# KiCad board sizif128.kicad_pcb (continued)
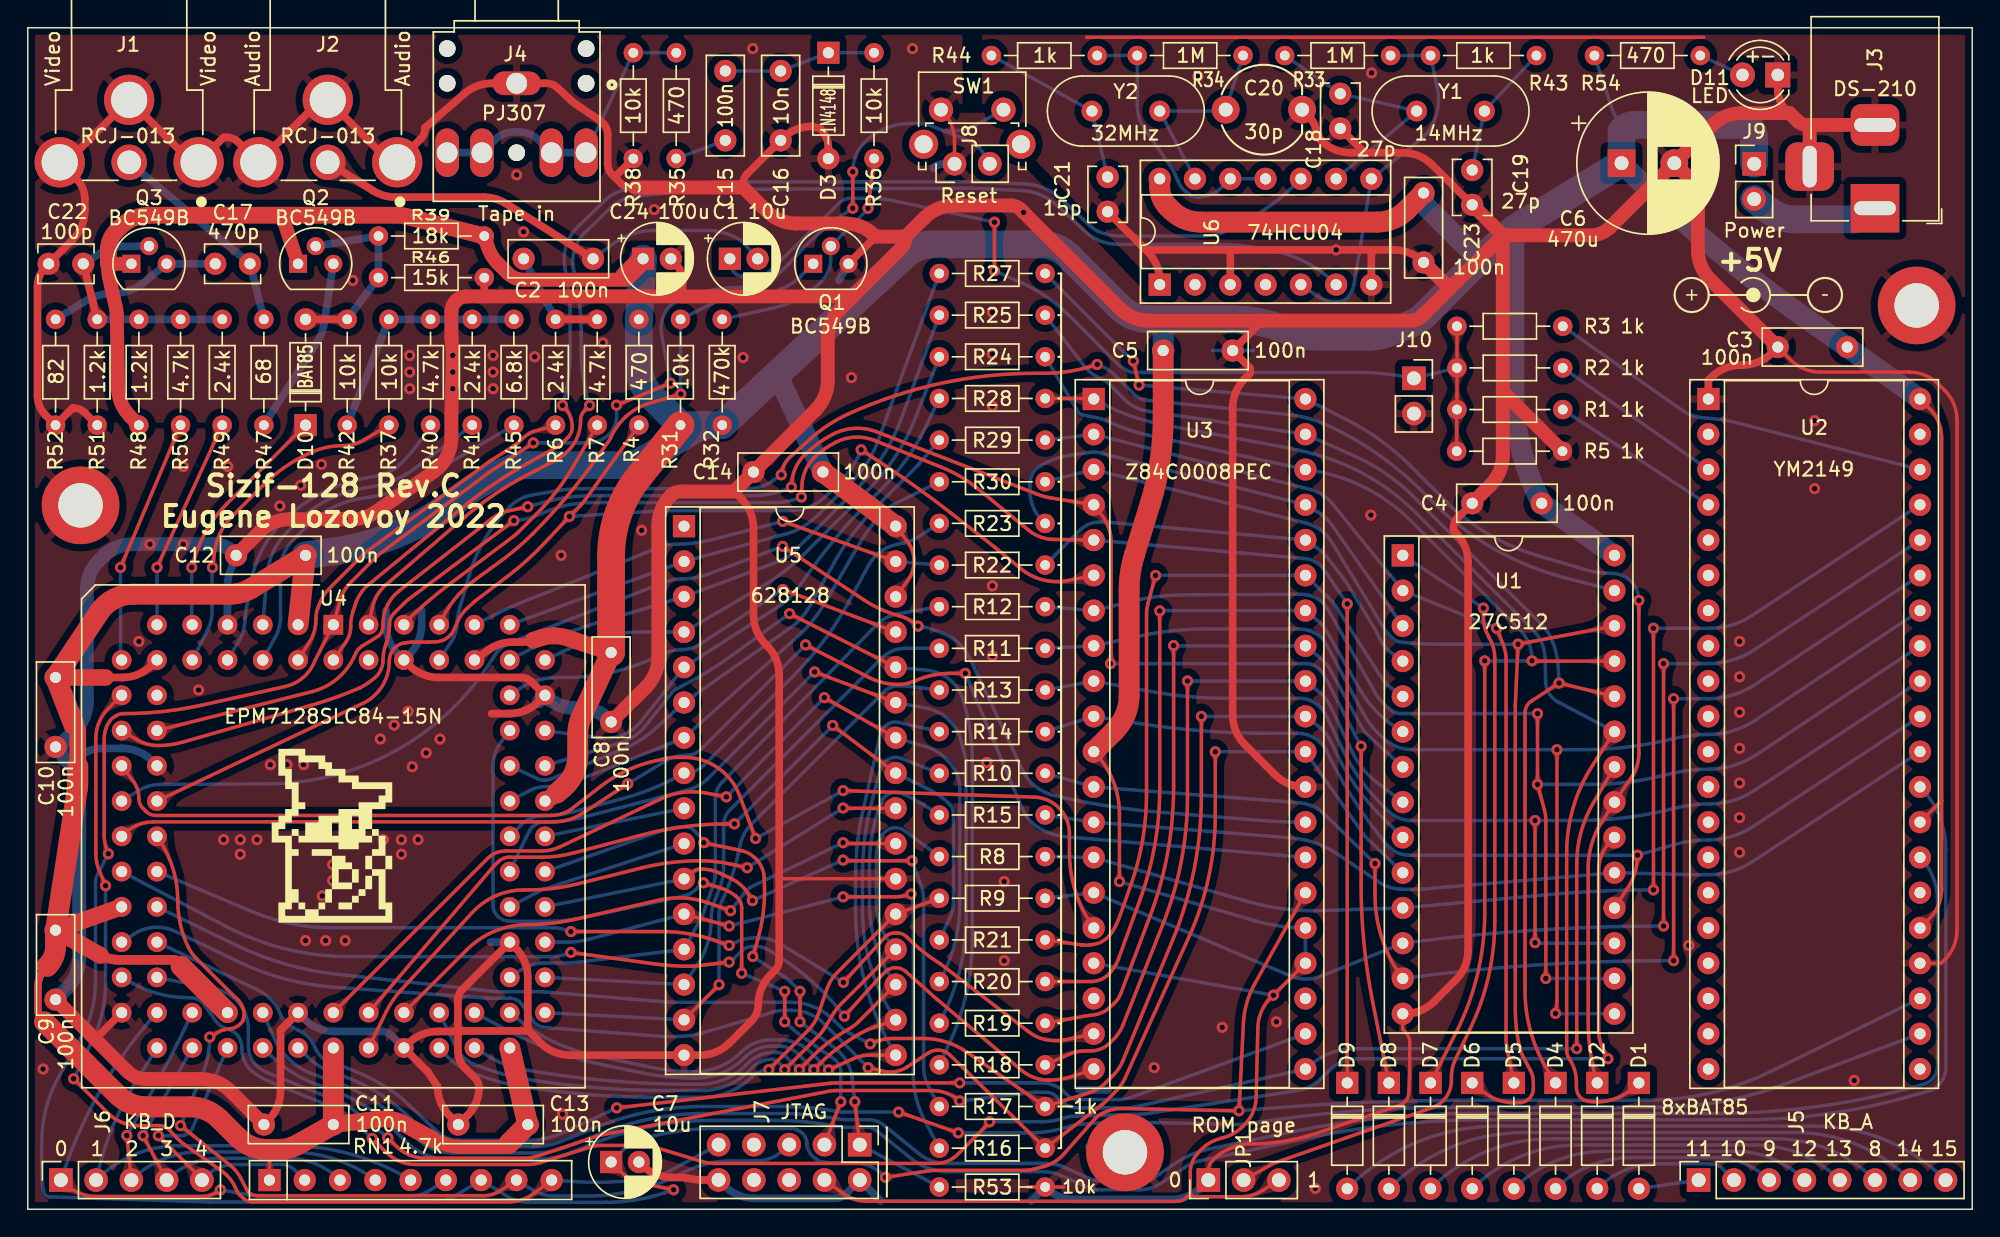
[diagram p0: board, top side]
## Copper pours and planes (outline as drawn; the poured copper is in the pictures) (continued)
VA16 on Top: 60.1,26.21 60.39,26.21 60.64,26.19 60.85,26.16 61.03,26.12 61.2,26.07 61.36,26.01 61.53,25.93 61.71,25.84 61.91,25.74 62.14,25.62 62.89,26.34 62.14,27.06 61.91,26.94 61.71,26.84 61.53,26.75 61.36,26.67 61.2,26.61 61.03,26.56 60.85,26.52 60.64,26.49 60.39,26.47 60.1,26.46
VA16 on Bottom: 57.68,25.77 57.81,25.83 57.92,25.88 58.02,25.92 58.11,25.95 58.2,25.97 58.28,25.99 58.37,25.99 58.47,26 58.57,26 58.7,26 58.88,26.49 58.39,26.65 58.31,26.55 58.24,26.47 58.18,26.4 58.12,26.33 58.05,26.28 57.98,26.22 57.9,26.17 57.81,26.12 57.7,26.06 57.57,26
VA16 on Bottom: 51.23,22.52 51.14,22.4 51.06,22.31 50.99,22.23 50.92,22.16 50.86,22.11 50.79,22.06 50.71,22.01 50.63,21.96 50.53,21.91 50.42,21.86 50.48,21.34 50.99,21.42 51.02,21.54 51.04,21.64 51.07,21.74 51.09,21.82 51.12,21.9 51.16,21.98 51.21,22.06 51.27,22.15 51.34,22.25 51.43,22.36
VD0 on Top: 60.89,16.94 61.1,17.14 61.29,17.31 61.46,17.44 61.61,17.54 61.77,17.62 61.93,17.69 62.1,17.75 62.29,17.81 62.51,17.88 62.75,17.96 62.77,19 61.73,18.98 61.65,18.74 61.58,18.52 61.52,18.33 61.46,18.16 61.39,18 61.31,17.84 61.21,17.69 61.08,17.52 60.91,17.33 60.71,17.12
VD0 on Top: 55.25,10.98 55.15,10.88 55.06,10.79 54.98,10.73 54.9,10.67 54.83,10.62 54.76,10.58 54.68,10.54 54.59,10.51 54.49,10.47 54.37,10.43 54.36,9.91 54.88,9.92 54.92,10.04 54.96,10.14 54.99,10.23 55.03,10.31 55.07,10.38 55.12,10.45 55.18,10.53 55.24,10.61 55.33,10.7 55.43,10.8
VD0 on Bottom: 53.58,10.68 53.69,10.64 53.79,10.6 53.87,10.55 53.93,10.49 53.97,10.42 54.01,10.35 54.04,10.26 54.06,10.17 54.09,10.08 54.11,9.97 54.62,9.89 54.6,10.44 54.47,10.48 54.37,10.52 54.29,10.57 54.21,10.62 54.07,10.73 53.99,10.78 53.89,10.83 53.78,10.88 53.63,10.92
VD0 on Bottom: 61.16,20.73 61.25,20.43 61.32,20.17 61.37,19.96 61.42,19.76 61.46,19.58 61.55,19.22 61.59,19.02 61.65,18.79 61.71,18.52 62.75,18.41 62.82,19.45 62.39,19.64 62.21,19.72 62.06,19.81 61.92,19.9 61.79,20.02 61.68,20.16 61.58,20.33 61.49,20.54 61.4,20.8
VD0 on Bottom: 30.66,12.29 30.55,12.53 30.47,12.74 30.41,12.92 30.37,13.08 30.34,13.23 30.33,13.39 30.32,13.55 30.33,13.73 30.33,13.93 30.33,14.16 29.47,14.48 29.18,13.6 29.36,13.46 29.52,13.34 29.66,13.23 29.78,13.13 29.9,13.02 30,12.9 30.1,12.77 30.21,12.61 30.32,12.42 30.43,12.18
VD0 on Bottom: 63.88,26.55 64.08,26.4 64.25,26.26 64.38,26.13 64.49,26 64.58,25.88 64.66,25.75 64.74,25.61 64.82,25.46 64.91,25.28 65.01,25.08 65.91,25.19 65.76,26.09 65.54,26.13 65.35,26.16 65.18,26.19 65.02,26.23 64.88,26.27 64.73,26.32 64.58,26.39 64.42,26.48 64.24,26.6 64.03,26.75
VD1 on Top: 63.71,21.57 63.95,21.65 64.16,21.71 64.34,21.75 64.5,21.78 64.66,21.79 64.81,21.78 64.97,21.77 65.14,21.75 65.33,21.73 65.56,21.7 65.96,22.52 65.13,22.89 64.97,22.72 64.84,22.58 64.72,22.46 64.6,22.35 64.49,22.25 64.37,22.15 64.23,22.07 64.06,21.98 63.86,21.9 63.62,21.8
VD1 on Top: 60.89,19.48 61.1,19.68 61.29,19.85 61.46,19.98 61.61,20.08 61.77,20.16 61.93,20.23 62.1,20.29 62.29,20.35 62.51,20.42 62.75,20.5 62.77,21.54 61.73,21.52 61.65,21.28 61.58,21.06 61.52,20.87 61.46,20.7 61.39,20.54 61.31,20.38 61.21,20.23 61.08,20.06 60.91,19.87 60.71,19.66
VD1 on Top: 54.1,10.98 54,10.88 53.91,10.79 53.83,10.73 53.75,10.67 53.68,10.62 53.61,10.58 53.53,10.54 53.44,10.51 53.34,10.47 53.22,10.43 53.21,9.91 53.73,9.92 53.77,10.04 53.81,10.14 53.84,10.23 53.88,10.31 53.92,10.38 53.97,10.45 54.03,10.53 54.09,10.61 54.18,10.7 54.28,10.8
VD1 on Top: 64.69,22.19 64.42,22.1 64.18,22.03 63.97,21.99 63.78,21.96 63.61,21.95 63.43,21.96 63.25,21.97 63.05,22 62.83,22.03 62.57,22.06 62.11,21.12 63.06,20.7 63.24,20.89 63.4,21.06 63.53,21.2 63.66,21.33 63.79,21.45 63.93,21.55 64.09,21.65 64.28,21.75 64.51,21.85 64.78,21.96
VD1 on Bottom: 52.33,9.55 52.43,9.62 52.52,9.68 52.6,9.73 52.69,9.75 52.77,9.77 52.85,9.77 52.93,9.76 53.02,9.74 53.12,9.71 53.22,9.67 53.55,10.07 53.09,10.35 52.99,10.27 52.9,10.21 52.81,10.15 52.73,10.11 52.57,10.02 52.48,9.97 52.39,9.91 52.29,9.83 52.17,9.74
VD1 on Bottom: 31.28,10.33 31.07,10.46 30.91,10.59 30.77,10.71 30.67,10.84 30.59,10.97 30.52,11.11 30.47,11.26 30.42,11.43 30.36,11.62 30.3,11.84 29.38,11.88 29.37,10.95 29.59,10.87 29.78,10.8 29.95,10.73 30.1,10.67 30.25,10.61 30.39,10.54 30.55,10.46 30.72,10.36 30.92,10.25 31.16,10.11
VD2 on Top: 59.67,12.36 60,12.56 60.29,12.71 60.55,12.82 60.79,12.89 61.02,12.94 61.25,12.95 61.49,12.95 61.76,12.92 62.05,12.89 62.39,12.85 62.87,13.77 61.93,14.21 61.67,13.97 61.45,13.77 61.24,13.61 61.05,13.47 60.85,13.35 60.65,13.23 60.17,12.95 59.88,12.78 59.54,12.58
VD2 on Top: 57.54,11.13 57.3,10.91 57.2,10.83 57.11,10.75 57.02,10.69 56.93,10.63 56.84,10.58 56.73,10.53 56.61,10.48 56.47,10.43 56.46,9.91 56.98,9.92 57.03,10.06 57.08,10.18 57.12,10.29 57.18,10.38 57.23,10.47 57.3,10.55 57.38,10.64 57.47,10.73 57.58,10.83 57.71,10.95
VD2 on Bottom: 61.21,15.69 61.33,15.41 61.43,15.17 61.49,14.97 61.55,14.78 61.58,14.6 61.61,14.43 61.63,14.25 61.67,13.82 61.69,13.55 62.7,13.3 62.91,14.32 62.69,14.45 62.5,14.57 62.33,14.67 62.18,14.77 62.05,14.88 61.92,15 61.8,15.14 61.68,15.32 61.57,15.53 61.44,15.79
VD2 on Bottom: 55.67,10.8 55.77,10.7 55.86,10.61 55.92,10.53 55.98,10.45 56.03,10.38 56.07,10.31 56.11,10.23 56.14,10.14 56.18,10.04 56.22,9.92 56.74,9.91 56.73,10.43 56.61,10.47 56.51,10.51 56.42,10.54 56.34,10.58 56.27,10.62 56.2,10.67 56.12,10.73 56.04,10.79 55.95,10.88 55.85,10.98
VD2 on Bottom: 63.64,32.05 63.88,31.95 64.07,31.86 64.23,31.77 64.37,31.68 64.49,31.58 64.61,31.48 64.72,31.37 64.83,31.24 64.96,31.09 65.12,30.93 65.96,31.27 65.58,32.1 65.35,32.08 65.16,32.06 64.98,32.05 64.82,32.04 64.67,32.04 64.52,32.05 64.36,32.08 64.18,32.13 63.97,32.19 63.73,32.28
VD2 on Bottom: 34.1,13.26 33.87,13.39 33.68,13.51 33.53,13.62 33.4,13.72 33.29,13.84 33.19,13.95 33.09,14.08 32.98,14.23 32.87,14.39 32.74,14.58 31.85,14.33 32.13,13.45 32.36,13.44 32.56,13.44 32.74,13.43 32.9,13.42 33.05,13.4 33.21,13.37 33.37,13.32 33.55,13.25 33.75,13.16 33.98,13.04
VD3 on Bottom: 48.82,19.15 48.69,18.76 48.55,18.43 48.41,18.15 48.26,17.92 48.09,17.72 47.91,17.55 47.69,17.39 47.45,17.23 47.17,17.06 46.84,16.87 47.03,15.85 48.04,16.07 48.1,16.45 48.18,16.77 48.26,17.04 48.35,17.29 48.44,17.53 48.55,17.76 48.67,18.02 48.79,18.32 48.92,18.66 49.06,19.08
VD3 on Bottom: 44.86,16.18 45.15,16.16 45.39,16.13 45.6,16.09 45.79,16.04 45.95,15.98 46.11,15.9 46.27,15.82 46.44,15.72 46.64,15.61 46.86,15.48 47.65,16.16 46.94,16.92 46.7,16.81 46.49,16.72 46.31,16.64 46.14,16.57 45.98,16.52 45.81,16.47 45.62,16.44 45.41,16.42 45.16,16.42 44.87,16.43
VD3 on Bottom: 39.38,16.71 39.12,16.73 38.9,16.76 38.71,16.79 38.55,16.83 38.4,16.89 38.26,16.95 38.11,17.02 37.96,17.11 37.78,17.21 37.58,17.32 36.88,16.72 37.52,16.04 37.73,16.14 37.91,16.22 38.07,16.29 38.23,16.35 38.37,16.39 38.53,16.43 38.69,16.46 38.88,16.47 39.1,16.47 39.36,16.46
VD3 on Bottom: 63.54,40.27 63.8,40.27 64.01,40.26 64.2,40.23 64.36,40.2 64.51,40.16 64.65,40.1 64.79,40.04 64.95,39.96 65.12,39.87 65.32,39.77 65.98,40.4 65.32,41.03 65.12,40.93 64.95,40.84 64.79,40.76 64.65,40.7 64.51,40.64 64.36,40.6 64.2,40.57 64.01,40.54 63.8,40.53 63.54,40.52
VD4 on Bottom: 48.28,20.88 48.14,20.62 48.01,20.42 47.88,20.24 47.76,20.1 47.63,19.98 47.49,19.87 47.35,19.76 47.18,19.65 47,19.52 46.78,19.37 47.06,18.37 48.05,18.68 48.06,18.94 48.06,19.17 48.07,19.37 48.08,19.55 48.1,19.72 48.14,19.89 48.19,20.08 48.26,20.27 48.37,20.5 48.5,20.76
VD4 on Bottom: 44.89,18.31 45.18,18.34 45.43,18.35 45.64,18.35 45.83,18.33 46,18.3 46.17,18.25 46.35,18.2 46.53,18.13 46.74,18.05 46.99,17.96 47.65,18.77 46.82,19.39 46.6,19.25 46.41,19.12 46.25,19.01 46.09,18.92 45.94,18.83 45.78,18.76 45.6,18.7 45.4,18.64 45.15,18.6 44.86,18.56
VD4 on Bottom: 36.78,17.84 36.48,17.8 36.23,17.75 36.01,17.71 35.82,17.66 35.65,17.62 35.48,17.57 35.3,17.53 35.11,17.48 34.88,17.44 34.62,17.41 34.41,16.5 35.31,16.34 35.44,16.55 35.54,16.75 35.64,16.92 35.75,17.07 35.86,17.2 35.99,17.31 36.14,17.41 36.33,17.49 36.55,17.55 36.81,17.59
VD4 on Bottom: 63.59,42.93 63.84,42.97 64.06,42.99 64.24,43 64.41,42.99 64.56,42.97 64.71,42.94 64.86,42.9 65.03,42.85 65.22,42.79 65.43,42.73 65.98,43.46 65.22,43.97 65.04,43.84 64.88,43.72 64.74,43.62 64.61,43.53 64.48,43.45 64.34,43.39 64.19,43.33 64.01,43.27 63.8,43.22 63.55,43.17
VD5 on Top: 49.02,15.24 49.13,15.34 49.22,15.42 49.3,15.49 49.37,15.55 49.45,15.6 49.52,15.64 49.6,15.68 49.69,15.72 49.8,15.76 49.91,15.8 49.91,16.32 49.39,16.3 49.36,16.18 49.32,16.08 49.28,15.99 49.25,15.91 49.21,15.84 49.16,15.76 49.1,15.69 49.03,15.61 48.95,15.52 48.85,15.41
VD5 on Top: 48.85,15.42 48.64,15.22 48.45,15.05 48.28,14.92 48.13,14.82 47.97,14.74 47.81,14.67 47.64,14.61 47.45,14.55 47.23,14.48 46.99,14.4 46.97,13.36 48.01,13.38 48.09,13.62 48.16,13.84 48.22,14.03 48.28,14.2 48.35,14.36 48.43,14.52 48.53,14.67 48.66,14.84 48.83,15.03 49.03,15.24
VD5 on Bottom: 44.86,13.64 45.15,13.62 45.39,13.59 45.6,13.55 45.79,13.5 45.95,13.44 46.11,13.36 46.27,13.28 46.44,13.18 46.64,13.07 46.86,12.94 47.65,13.62 46.94,14.38 46.7,14.27 46.49,14.18 46.31,14.1 46.14,14.03 45.98,13.98 45.81,13.93 45.62,13.9 45.41,13.88 45.16,13.88 44.87,13.89
VD5 on Bottom: 63.54,37.52 63.79,37.49 64.01,37.45 64.19,37.4 64.34,37.35 64.48,37.29 64.62,37.22 64.75,37.14 64.9,37.04 65.06,36.93 65.25,36.81 65.98,37.36 65.4,38.06 65.19,37.99 65,37.92 64.84,37.86 64.69,37.81 64.54,37.78 64.39,37.75 64.23,37.73 64.04,37.73 63.82,37.74 63.57,37.77
VD5 on Bottom: 49.65,17.36 49.65,17.22 49.64,17.1 49.64,16.99 49.62,16.9 49.61,16.81 49.58,16.73 49.55,16.65 49.51,16.56 49.47,16.46 49.42,16.35 49.78,15.97 50.14,16.35 50.08,16.46 50.04,16.56 50,16.65 49.97,16.73 49.94,16.81 49.93,16.9 49.91,16.99 49.91,17.1 49.9,17.22 49.9,17.36
VD5 on Bottom: 39.38,14.17 39.12,14.19 38.9,14.22 38.71,14.25 38.55,14.29 38.4,14.35 38.26,14.41 38.11,14.48 37.96,14.57 37.78,14.67 37.58,14.78 36.88,14.18 37.52,13.5 37.73,13.6 37.91,13.68 38.07,13.75 38.23,13.81 38.37,13.85 38.53,13.89 38.69,13.92 38.88,13.93 39.1,13.93 39.36,13.92
VD6 on Top: 59.19,10.58 59.55,10.77 59.87,10.9 60.16,10.97 60.44,11 60.7,10.97 60.96,10.91 61.23,10.82 61.51,10.69 61.81,10.54 62.14,10.38 62.89,11.1 62.08,11.79 61.74,11.61 61.44,11.49 61.16,11.41 60.89,11.36 60.63,11.33 60.37,11.29 60.09,11.23 59.78,11.14 59.44,11 59.06,10.79
VD6 on Top: 58.68,10.64 58.55,10.58 58.44,10.54 58.34,10.5 58.25,10.47 58.16,10.45 58.08,10.44 57.99,10.43 57.89,10.43 57.78,10.43 57.66,10.44 57.47,9.95 57.96,9.78 58.04,9.88 58.11,9.96 58.17,10.03 58.24,10.09 58.3,10.14 58.37,10.2 58.45,10.25 58.54,10.3 58.65,10.35 58.79,10.41
VD6 on Bottom: 63.56,34.74 63.81,34.68 64.02,34.62 64.19,34.56 64.35,34.49 64.48,34.41 64.61,34.33 64.73,34.23 64.87,34.12 65.02,34 65.19,33.85 65.97,34.32 65.47,35.08 65.25,35.03 65.06,34.98 64.89,34.94 64.74,34.91 64.59,34.89 64.43,34.88 64.27,34.88 64.08,34.9 63.87,34.93 63.62,34.99
VD6 on Bottom: 36.78,12.78 36.52,12.95 36.31,13.1 36.13,13.24 35.99,13.38 35.87,13.52 35.76,13.67 35.66,13.83 35.56,14.02 35.46,14.23 35.34,14.47 34.42,14.38 34.55,13.47 34.82,13.4 35.05,13.35 35.25,13.29 35.43,13.23 35.6,13.16 35.77,13.08 35.95,12.99 36.15,12.87 36.38,12.74 36.65,12.57
VD6 on Bottom: 61.26,13.18 61.38,12.9 61.47,12.67 61.54,12.46 61.59,12.27 61.62,12.1 61.64,11.93 61.66,11.74 61.67,11.54 61.68,11.31 61.69,11.05 62.69,10.75 62.95,11.76 62.73,11.9 62.54,12.03 62.38,12.14 62.23,12.24 62.09,12.36 61.97,12.48 61.85,12.63 61.73,12.8 61.62,13.02 61.49,13.28
VD6 on Bottom: 56.72,10.79 56.82,10.69 56.91,10.6 56.97,10.52 57.03,10.44 57.08,10.37 57.12,10.29 57.16,10.21 57.19,10.12 57.23,10.02 57.27,9.91 57.79,9.89 57.78,10.41 57.66,10.46 57.56,10.49 57.47,10.53 57.39,10.57 57.32,10.61 57.25,10.65 57.17,10.71 57.09,10.78 57,10.87 56.9,10.97
VD7 on Top: 56.3,10.98 56.2,10.88 56.11,10.79 56.03,10.73 55.95,10.67 55.88,10.62 55.81,10.58 55.73,10.54 55.64,10.51 55.54,10.47 55.42,10.43 55.41,9.91 55.93,9.92 55.97,10.04 56.01,10.14 56.04,10.23 56.08,10.31 56.12,10.38 56.17,10.45 56.23,10.53 56.29,10.61 56.38,10.7 56.48,10.8
VD7 on Top: 60.89,14.4 61.1,14.6 61.29,14.77 61.46,14.9 61.61,15 61.77,15.08 61.93,15.15 62.1,15.21 62.29,15.27 62.51,15.34 62.75,15.42 62.77,16.46 61.73,16.44 61.65,16.2 61.58,15.98 61.52,15.79 61.46,15.62 61.39,15.46 61.31,15.3 61.21,15.15 61.08,14.98 60.91,14.79 60.71,14.58
VD7 on Bottom: 63.67,29.46 63.91,29.33 64.1,29.21 64.26,29.09 64.4,28.97 64.51,28.86 64.61,28.73 64.7,28.59 64.8,28.43 64.91,28.25 65.03,28.04 65.92,28.21 65.72,29.09 65.48,29.13 65.27,29.15 65.08,29.18 64.92,29.21 64.76,29.25 64.6,29.3 64.43,29.37 64.25,29.45 64.03,29.55 63.79,29.68
VD7 on Bottom: 54.62,10.8 54.72,10.7 54.81,10.61 54.87,10.53 54.93,10.45 54.98,10.38 55.02,10.31 55.06,10.23 55.09,10.14 55.13,10.04 55.17,9.92 55.69,9.91 55.68,10.43 55.56,10.47 55.46,10.51 55.37,10.54 55.29,10.58 55.22,10.62 55.15,10.67 55.07,10.73 54.99,10.79 54.9,10.88 54.8,10.98
VD7 on Bottom: 61.22,18.24 61.33,17.96 61.42,17.72 61.48,17.51 61.53,17.32 61.57,17.15 61.6,16.97 61.62,16.79 61.64,16.59 61.67,16.36 61.69,16.09 62.7,15.84 62.91,16.86 62.69,16.99 62.5,17.11 62.33,17.21 62.18,17.31 62.04,17.42 61.91,17.54 61.79,17.68 61.68,17.86 61.56,18.07 61.45,18.33
VD7 on Bottom: 34.76,10.41 34.43,10.52 34.14,10.64 33.91,10.75 33.71,10.87 33.53,11.01 33.38,11.16 33.23,11.33 33.08,11.52 32.93,11.75 32.75,12.01 31.85,11.8 32.1,10.91 32.43,10.88 32.7,10.84 32.94,10.79 33.15,10.73 33.36,10.66 33.56,10.58 33.79,10.49 34.04,10.4 34.33,10.29 34.69,10.17
VIDEO on Bottom: 16.85,65.85 16.78,66.13 16.73,66.37 16.69,66.58 16.66,66.77 16.65,66.95 16.65,67.12 16.67,67.29 16.7,67.48 16.73,67.69 16.78,67.94 15.9,68.49 15.39,67.59 15.54,67.4 15.68,67.23 15.79,67.07 15.88,66.93 15.97,66.78 16.04,66.62 16.11,66.44 16.17,66.23 16.24,66 16.31,65.71
VIDEO on Bottom: 13.99,69.43 14.21,69.24 14.4,69.07 14.55,68.93 14.68,68.79 14.8,68.65 14.89,68.51 14.99,68.36 15.07,68.19 15.17,68 15.27,67.77 16.31,67.84 16.2,68.88 15.96,68.94 15.75,69 15.57,69.05 15.4,69.12 15.25,69.19 15.1,69.28 14.94,69.38 14.76,69.51 14.57,69.66 14.35,69.85
VIDEO on Bottom: 16.23,66.06 16.29,65.82 16.34,65.6 16.37,65.42 16.4,65.25 16.41,65.1 16.41,64.95 16.41,64.8 16.39,64.63 16.36,64.45 16.31,64.24 17.08,63.76 17.54,64.55 17.4,64.71 17.29,64.86 17.2,64.99 17.12,65.13 17.05,65.26 16.99,65.4 16.93,65.56 16.88,65.74 16.82,65.95 16.76,66.19
VIDEO on Bottom: 10.4,73.16 10.05,73.47 9.76,73.74 9.53,73.99 9.33,74.22 9.17,74.45 9.03,74.69 8.9,74.95 8.77,75.23 8.63,75.56 8.46,75.93 6.81,75.82 6.99,74.17 7.39,74.08 7.73,73.99 8.03,73.91 8.31,73.83 8.57,73.73 8.82,73.61 9.09,73.46 9.37,73.27 9.69,73.04 10.05,72.74
Net-(C1-Pad1) on Top: 103.03,61.51 103.03,61.77 103.04,61.98 103.07,62.17 103.1,62.33 103.14,62.48 103.2,62.62 103.26,62.76 103.34,62.92 103.43,63.09 103.53,63.29 102.9,63.95 102.27,63.29 102.37,63.09 102.46,62.92 102.54,62.76 102.6,62.62 102.66,62.48 102.7,62.33 102.73,62.17 102.76,61.98 102.77,61.77 102.78,61.51
Net-(C1-Pad1) on Top: 103,55.5 103.01,55.76 103.02,55.97 103.05,56.16 103.08,56.32 103.12,56.47 103.18,56.61 103.24,56.75 103.32,56.9 103.42,57.08 103.52,57.28 102.91,57.95 102.26,57.31 102.36,57.1 102.44,56.93 102.52,56.77 102.58,56.62 102.64,56.48 102.68,56.33 102.71,56.16 102.74,55.98 102.75,55.76 102.75,55.5
Net-(C1-Pad1) on Top: 69.47,68.79 69.47,68.65 69.47,68.52 69.46,68.42 69.45,68.32 69.43,68.24 69.41,68.15 69.38,68.07 69.34,67.98 69.29,67.89 69.24,67.77 69.6,67.4 69.96,67.77 69.91,67.89 69.86,67.98 69.82,68.07 69.79,68.15 69.77,68.24 69.75,68.32 69.74,68.42 69.73,68.52 69.73,68.65 69.72,68.79
Net-(C1-Pad1) on Top: 103.03,58.5 103.03,58.76 103.04,58.97 103.07,59.16 103.1,59.32 103.14,59.47 103.2,59.61 103.26,59.76 103.34,59.91 103.43,60.09 103.53,60.29 102.9,60.95 102.27,60.29 102.37,60.09 102.46,59.91 102.54,59.76 102.6,59.61 102.66,59.47 102.7,59.32 102.73,59.16 102.76,58.97 102.77,58.76 102.78,58.5
Net-(C1-Pad1) on Top: 102.78,62.69 102.77,62.43 102.76,62.22 102.73,62.03 102.7,61.87 102.66,61.72 102.6,61.58 102.54,61.44 102.46,61.28 102.37,61.11 102.27,60.91 102.9,60.25 103.53,60.91 103.43,61.11 103.34,61.28 103.26,61.44 103.2,61.58 103.14,61.72 103.1,61.87 103.07,62.03 103.04,62.22 103.03,62.43 103.03,62.69
Net-(C1-Pad1) on Top: 102.75,56.69 102.75,56.43 102.74,56.22 102.71,56.03 102.68,55.87 102.64,55.72 102.58,55.58 102.52,55.44 102.44,55.28 102.35,55.11 102.25,54.91 102.88,54.25 103.51,54.91 103.41,55.11 103.32,55.28 103.24,55.44 103.18,55.58 103.12,55.72 103.08,55.87 103.05,56.03 103.02,56.22 103.01,56.43 103,56.69
Net-(C1-Pad1) on Top: 69.72,69.91 69.73,70.05 69.73,70.18 69.74,70.28 69.75,70.38 69.77,70.46 69.79,70.54 69.82,70.63 69.86,70.72 69.91,70.81 69.96,70.93 69.6,71.3 69.24,70.93 69.29,70.81 69.34,70.72 69.38,70.63 69.41,70.54 69.43,70.46 69.45,70.38 69.46,70.28 69.47,70.18 69.47,70.05 69.47,69.91
Net-(C1-Pad1) on Top: 102.78,59.7 102.77,59.44 102.76,59.23 102.73,59.04 102.7,58.88 102.66,58.73 102.6,58.59 102.54,58.44 102.46,58.29 102.37,58.11 102.27,57.91 102.9,57.25 103.53,57.91 103.43,58.11 103.34,58.29 103.26,58.44 103.2,58.59 103.14,58.73 103.1,58.88 103.07,59.04 103.04,59.23 103.03,59.44 103.03,59.7
Net-(C1-Pad1) on Bottom: 70.74,67.23 70.61,67.29 70.5,67.34 70.4,67.39 70.32,67.44 70.25,67.49 70.19,67.55 70.12,67.61 70.06,67.68 69.99,67.76 69.91,67.86 69.42,67.68 69.61,67.2 69.74,67.2 69.84,67.2 69.94,67.2 70.03,67.2 70.11,67.18 70.2,67.17 70.29,67.14 70.39,67.1 70.5,67.06 70.63,67
Net-(C1-Pad1) on Bottom: 100.9,59.99 101.15,60.04 101.36,60.08 101.55,60.1 101.71,60.11 101.86,60.1 102.01,60.08 102.17,60.05 102.34,60.01 102.53,59.97 102.75,59.92 103.24,60.68 102.46,61.14 102.28,61 102.13,60.87 102,60.76 101.87,60.66 101.75,60.57 101.62,60.5 101.47,60.43 101.29,60.36 101.09,60.29 100.84,60.23
Net-(C1-Pad1) on Bottom: 97.26,60.09 97.57,60.06 97.82,60.02 98.04,59.96 98.23,59.9 98.4,59.81 98.56,59.72 98.72,59.61 98.89,59.48 99.08,59.33 99.29,59.17 100.22,59.77 99.58,60.67 99.3,60.59 98.86,60.46 98.68,60.41 98.49,60.37 98.3,60.34 98.1,60.32 97.87,60.31 97.6,60.32 97.28,60.34
Net-(C1-Pad1) on Bottom: 102.24,60.57 101.94,60.5 101.68,60.46 101.45,60.44 101.25,60.43 101.06,60.45 100.88,60.47 100.69,60.51 100.48,60.56 100.25,60.62 99.98,60.68 99.39,59.75 100.34,59.19 100.55,59.37 100.73,59.53 100.9,59.67 101.05,59.79 101.2,59.9 101.36,60 101.54,60.08 101.75,60.17 102,60.25 102.3,60.33
Net-(C1-Pad1) on Bottom: 52.15,67.23 51.96,67.26 51.79,67.32 51.65,67.39 51.54,67.48 51.45,67.59 51.39,67.71 51.34,67.85 51.32,68 51.32,68.16 51.34,68.33 50.44,68.84 50.45,67.67 50.66,67.63 50.84,67.57 50.99,67.49 51.12,67.41 51.24,67.33 51.37,67.24 51.51,67.16 51.67,67.08 51.87,67.02 52.11,66.98
Net-(C2-Pad1) on Top: 40.09,64.38 39.84,64.38 39.62,64.38 39.43,64.39 39.27,64.4 39.11,64.43 38.97,64.46 38.82,64.51 38.67,64.57 38.5,64.64 38.31,64.73 37.65,64.1 38.31,63.47 38.5,63.56 38.67,63.63 38.82,63.69 38.97,63.74 39.11,63.77 39.27,63.8 39.43,63.81 39.62,63.82 39.84,63.82 40.09,63.82
Net-(C2-Pad1) on Top: 38.91,63.82 39.16,63.82 39.38,63.82 39.57,63.81 39.73,63.8 39.89,63.77 40.03,63.74 40.18,63.69 40.33,63.63 40.5,63.56 40.69,63.47 41.35,64.1 40.69,64.73 40.5,64.64 40.33,64.57 40.18,64.51 40.03,64.46 39.89,64.43 39.73,64.4 39.57,64.39 39.38,64.38 39.16,64.38 38.91,64.38
Net-(C2-Pad1) on Bottom: 37.06,66.47 36.93,66.73 36.82,66.95 36.73,67.15 36.66,67.33 36.61,67.5 36.57,67.66 36.54,67.84 36.52,68.03 36.51,68.24 36.5,68.49 35.51,68.81 35.23,67.82 35.42,67.67 35.59,67.54 35.74,67.41 35.87,67.29 35.98,67.17 36.09,67.03 36.2,66.87 36.31,66.69 36.44,66.47 36.57,66.22
Net-(C2-Pad1) on Bottom: 36.78,65.82 36.9,65.6 37,65.4 37.08,65.23 37.14,65.08 37.19,64.93 37.23,64.79 37.26,64.64 37.28,64.47 37.29,64.29 37.3,64.08 38.16,63.79 38.41,64.66 38.25,64.79 38.1,64.91 37.98,65.02 37.87,65.12 37.77,65.24 37.68,65.36 37.59,65.5 37.49,65.66 37.39,65.85 37.27,66.08
Net-(C15-Pad1) on Bottom: 48.02,76.04 48.3,76.14 48.54,76.21 48.75,76.26 48.93,76.28 49.11,76.29 49.28,76.29 49.46,76.27 49.66,76.25 49.89,76.22 50.14,76.19 50.6,77.13 49.64,77.54 49.47,77.35 49.31,77.19 49.18,77.04 49.05,76.91 48.92,76.8 48.78,76.69 48.62,76.59 48.43,76.49 48.21,76.38 47.94,76.28
Net-(C15-Pad1) on Bottom: 48.6,76.52 48.36,76.44 48.15,76.38 47.97,76.33 47.81,76.31 47.66,76.3 47.5,76.3 47.35,76.31 47.17,76.33 46.98,76.35 46.75,76.38 46.36,75.56 47.19,75.2 47.35,75.36 47.48,75.5 47.6,75.63 47.71,75.74 47.83,75.84 47.95,75.93 48.09,76.02 48.25,76.11 48.45,76.2 48.69,76.29
Net-(C15-Pad2) on Bottom: 56.4,82.96 56.12,82.86 55.88,82.79 55.68,82.74 55.49,82.71 55.31,82.7 55.14,82.7 54.96,82.72 54.76,82.74 54.54,82.76 54.28,82.79 53.83,81.85 54.79,81.44 54.97,81.63 55.12,81.8 55.25,81.95 55.38,82.08 55.51,82.2 55.64,82.31 55.8,82.41 55.99,82.51 56.21,82.62 56.48,82.72
Net-(C15-Pad2) on Bottom: 55.45,82.33 55.73,82.43 55.97,82.5 56.17,82.55 56.36,82.58 56.54,82.59 56.71,82.59 56.89,82.57 57.09,82.55 57.31,82.53 57.57,82.5 58.02,83.44 57.06,83.85 56.88,83.66 56.73,83.49 56.6,83.34 56.47,83.21 56.34,83.09 56.21,82.98 56.05,82.88 55.86,82.78 55.64,82.67 55.37,82.57
Net-(C15-Pad2) on Bottom: 51.82,81.86 52.11,81.86 52.36,81.84 52.57,81.81 52.75,81.77 52.92,81.72 53.08,81.66 53.25,81.58 53.42,81.49 53.63,81.39 53.86,81.27 54.61,81.99 53.86,82.71 53.63,82.59 53.42,82.49 53.25,82.4 53.08,82.32 52.92,82.26 52.75,82.21 52.57,82.17 52.36,82.14 52.11,82.12 51.82,82.11
Net-(C15-Pad2) on Bottom: 58.84,83.17 59.09,83.17 59.31,83.16 59.49,83.13 59.66,83.1 59.8,83.06 59.95,83 60.09,82.94 60.25,82.86 60.42,82.77 60.62,82.67 61.28,83.3 60.62,83.93 60.42,83.83 60.25,83.74 60.09,83.66 59.95,83.6 59.8,83.54 59.66,83.5 59.49,83.47 59.31,83.44 59.09,83.43 58.84,83.42
Net-(C15-Pad2) on Bottom: 60.03,83.42 59.74,83.43 59.49,83.45 59.28,83.48 59.1,83.52 58.93,83.57 58.77,83.63 58.6,83.71 58.43,83.8 58.22,83.9 57.99,84.02 57.24,83.3 57.99,82.58 58.22,82.7 58.43,82.8 58.6,82.89 58.77,82.97 58.93,83.03 59.1,83.08 59.28,83.12 59.49,83.15 59.74,83.17 60.03,83.17
Net-(C15-Pad2) on Bottom: 52.61,82.11 52.32,82.12 52.07,82.14 51.86,82.17 51.68,82.21 51.51,82.26 51.35,82.32 51.18,82.4 51,82.49 50.8,82.59 50.57,82.71 49.82,81.99 50.57,81.27 50.8,81.39 51,81.49 51.18,81.58 51.35,81.66 51.51,81.72 51.68,81.77 51.86,81.81 52.07,81.84 52.32,81.86 52.61,81.86
Net-(C17-Pad1) on Bottom: 3.64,65.43 3.42,65.3 3.24,65.19 3.07,65.1 2.92,65.02 2.78,64.96 2.64,64.91 2.49,64.88 2.32,64.85 2.14,64.82 1.93,64.8 1.7,63.92 2.59,63.72 2.71,63.9 2.81,64.05 2.91,64.18 3.01,64.3 3.12,64.4 3.24,64.5 3.37,64.6 3.53,64.71 3.71,64.82 3.93,64.96
Net-(C17-Pad1) on Bottom: 8.66,66.67 8.85,66.81 9,66.94 9.14,67.04 9.27,67.13 9.4,67.21 9.52,67.27 9.65,67.32 9.8,67.37 9.96,67.42 10.15,67.47 10.25,68.3 9.41,68.38 9.33,68.2 9.25,68.05 9.17,67.92 9.09,67.81 9,67.7 8.9,67.59 8.79,67.49 8.66,67.37 8.5,67.24 8.32,67.09
Net-(C17-Pad1) on Bottom: 11.11,67.82 11.4,67.82 11.65,67.82 11.86,67.8 12.05,67.78 12.22,67.75 12.39,67.7 12.56,67.65 12.73,67.57 12.93,67.49 13.15,67.38 13.9,68.1 13.15,68.82 12.93,68.71 12.73,68.63 12.56,68.55 12.39,68.5 12.22,68.45 12.05,68.42 11.86,68.4 11.65,68.38 11.4,68.38 11.11,68.38
Net-(C17-Pad1) on Bottom: 11.94,68.38 11.71,68.38 11.5,68.38 11.33,68.38 11.17,68.4 11.03,68.42 10.89,68.44 10.76,68.48 10.62,68.54 10.46,68.6 10.28,68.68 9.67,68.1 10.28,67.52 10.46,67.6 10.62,67.66 10.76,67.72 10.89,67.76 11.03,67.78 11.17,67.8 11.33,67.82 11.5,67.82 11.71,67.82 11.94,67.82
Net-(C18-Pad2) on Bottom: 92.46,81.6 92.7,81.43 92.89,81.28 93.05,81.13 93.18,81 93.29,80.86 93.38,80.71 93.48,80.56 93.57,80.38 93.68,80.18 93.8,79.95 94.83,80.12 94.62,81.14 94.36,81.18 94.14,81.21 93.94,81.23 93.76,81.26 93.59,81.3 93.42,81.35 93.25,81.42 93.06,81.52 92.85,81.65 92.6,81.81
Net-(C18-Pad2) on Bottom: 97.79,79.47 98.05,79.41 98.28,79.34 98.46,79.27 98.62,79.2 98.77,79.12 98.9,79.03 99.04,78.92 99.18,78.8 99.34,78.67 99.53,78.51 100.37,79.02 99.83,79.83 99.59,79.77 99.39,79.72 99.21,79.68 99.04,79.64 98.88,79.62 98.72,79.61 98.54,79.61 98.34,79.63 98.11,79.66 97.84,79.72
Net-(C18-Pad2) on Bottom: 98.37,77.56 98.58,77.73 98.77,77.87 98.93,77.98 99.09,78.06 99.24,78.13 99.4,78.18 99.56,78.22 99.74,78.27 99.95,78.32 100.18,78.37 100.29,79.34 99.32,79.41 99.22,79.18 99.14,78.99 99.06,78.82 98.99,78.66 98.91,78.52 98.82,78.38 98.71,78.24 98.58,78.09 98.41,77.93 98.21,77.75
Net-(C18-Pad2) on Bottom: 95.95,75.85 95.72,75.67 95.52,75.52 95.34,75.41 95.17,75.32 95.01,75.25 94.85,75.2 94.67,75.15 94.48,75.11 94.26,75.06 94,75 93.89,73.96 94.93,73.89 95.03,74.13 95.12,74.34 95.2,74.52 95.28,74.69 95.36,74.84 95.45,74.99 95.57,75.14 95.71,75.3 95.89,75.47 96.11,75.66
Net-(C18-Pad2) on Bottom: 96.86,79.94 96.57,80.01 96.34,80.08 96.14,80.16 95.97,80.24 95.81,80.33 95.67,80.43 95.53,80.54 95.37,80.67 95.2,80.81 95,80.97 94.11,80.44 94.68,79.57 94.93,79.63 95.15,79.69 95.35,79.74 95.52,79.77 95.7,79.8 95.87,79.82 96.06,79.81 96.27,79.8 96.52,79.76 96.8,79.7
Net-(C18-Pad2) on Bottom: 92.29,82.02 92.09,82.17 91.92,82.3 91.78,82.43 91.66,82.54 91.57,82.66 91.48,82.79 91.4,82.93 91.31,83.08 91.22,83.25 91.11,83.45 90.21,83.3 90.39,82.41 90.62,82.38 90.81,82.35 90.98,82.32 91.14,82.3 91.29,82.26 91.43,82.21 91.59,82.15 91.75,82.06 91.94,81.95 92.15,81.81
